# Altium PCB LimeNet-Micro_2v0.PcbDoc (part 6 of 11)
Units mm, origin at the board's own origin, x right, y up, seen from the top; angles counter-clockwise.
Board outline 75 x 143 mm, 6 copper layers (Top, L2, L3, L4, L5, Bottom), stack 1.583 mm thick; 781 components, 551 nets, 3551 pads, 1336 vias.
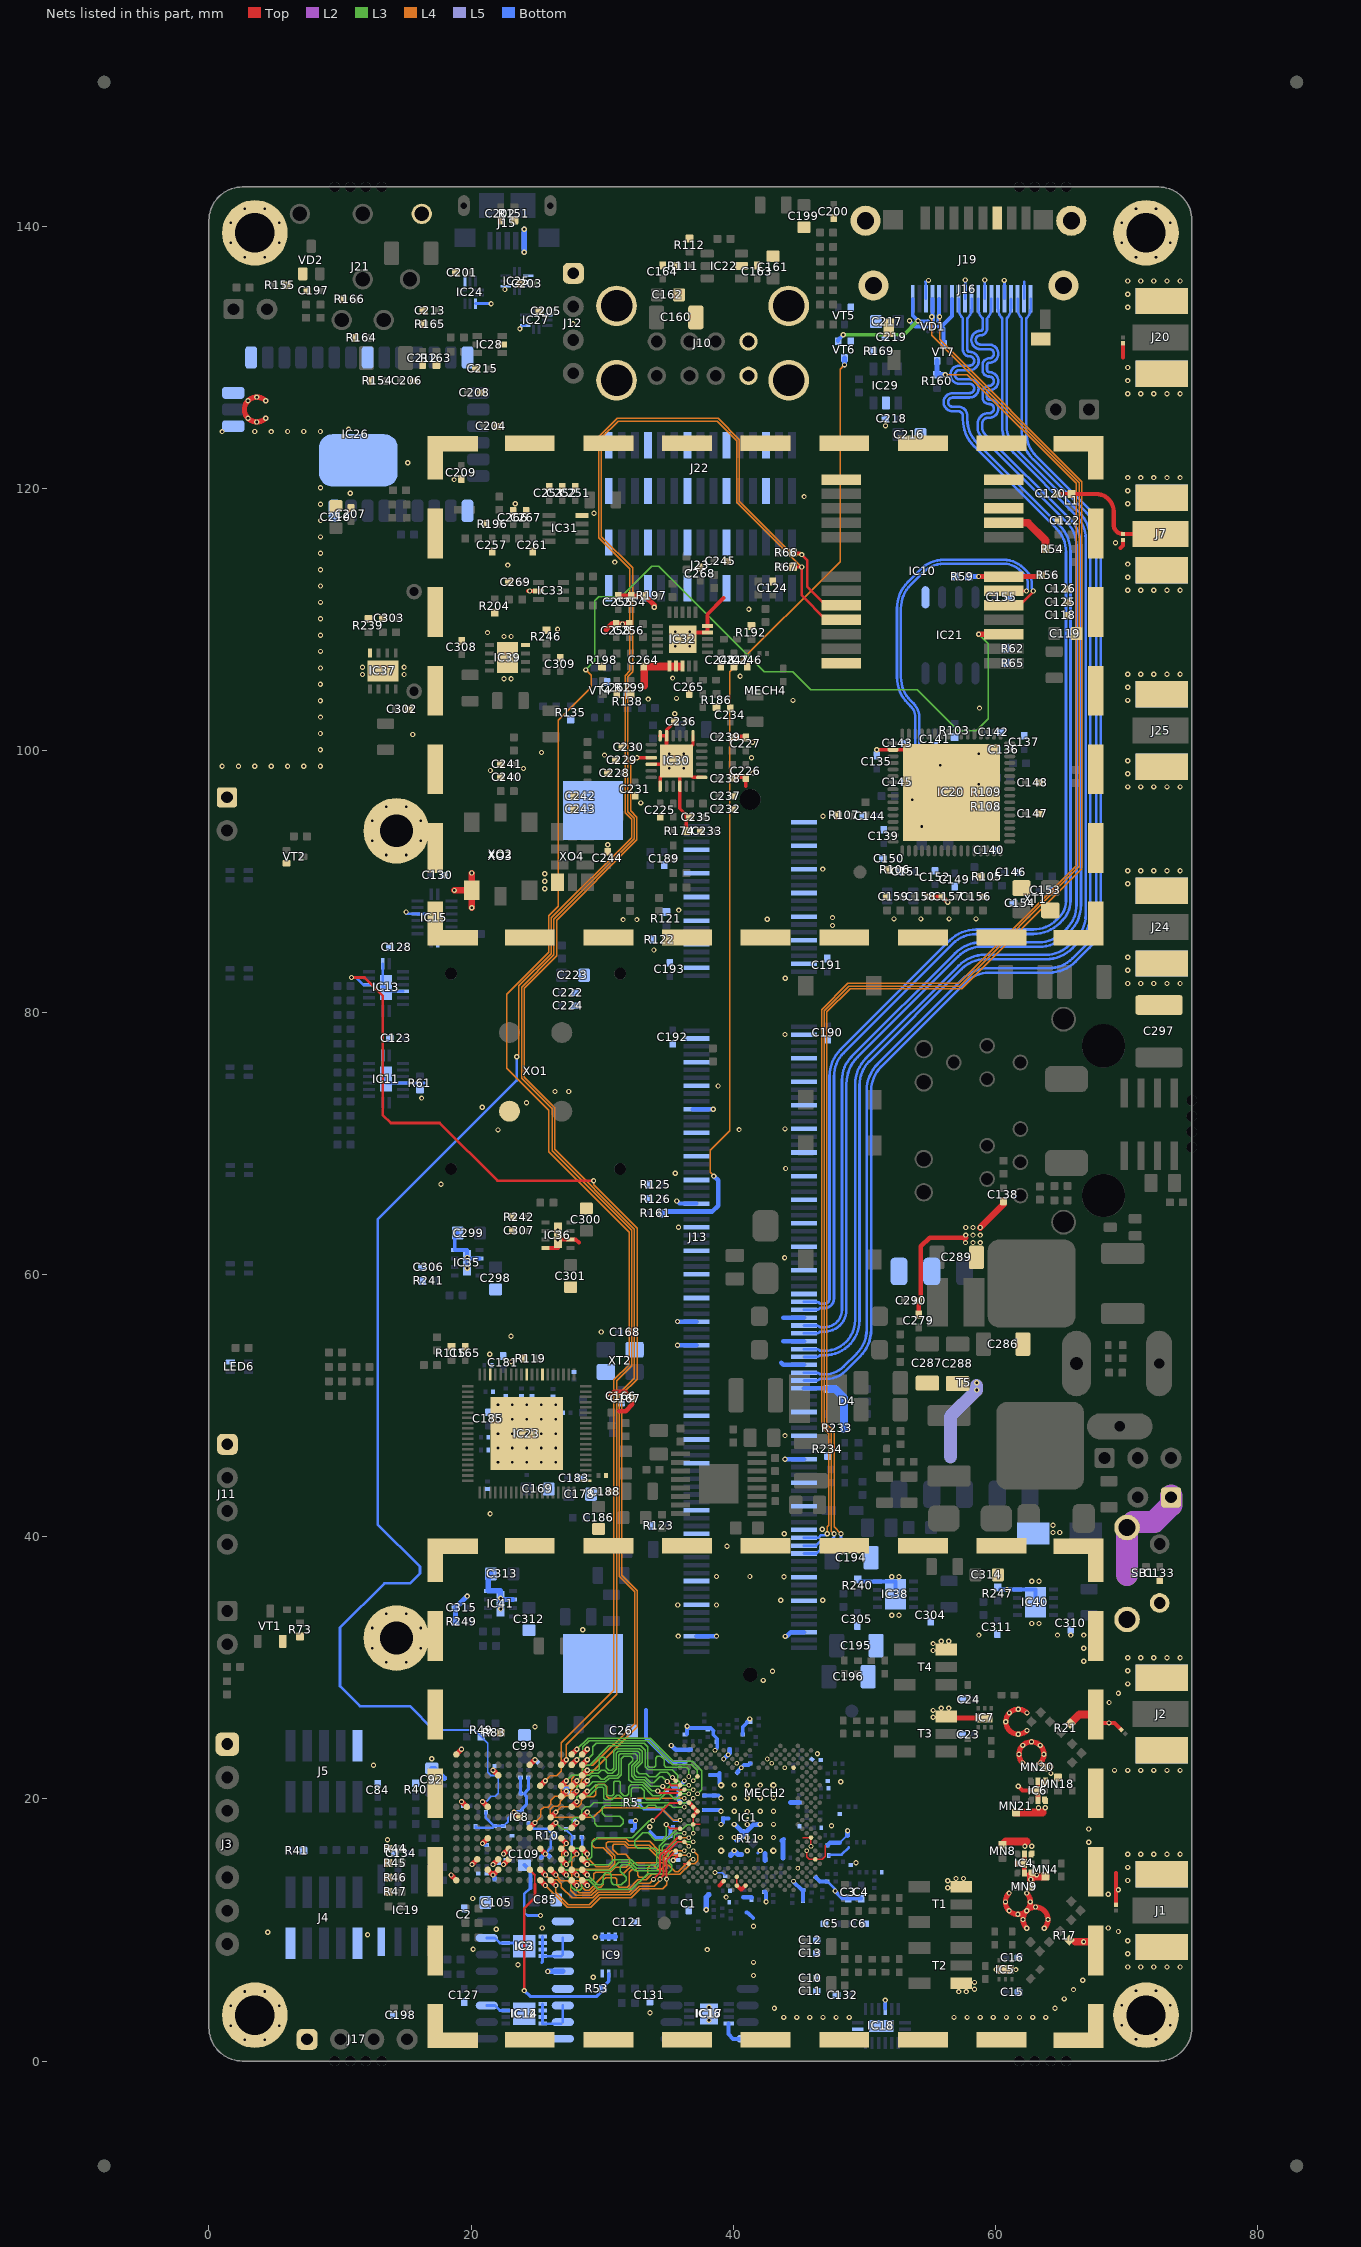
[diagram p10: the nets of this part, all layers, seen from the top]

## Via types
v1: diameter 0.4, hole 0.2, Top to Bottom, tented both sides, 1190 vias
v2: diameter 0.35, hole 0.2, Top to Bottom, tented both sides, 98 vias
v3: diameter 0.5, hole 0.2, Top to Bottom, tented bottom, 25 vias
v4: diameter 0.5, hole 0.2, Top to Bottom, tented both sides, 12 vias
v5: diameter 0.8, hole 0.4, Top to Bottom, tented both sides, 5 vias
v6: diameter 0.4, hole 0.2, Top to Bottom, tented top, 4 vias
v7: diameter 0.4, hole 0.2, Top to Bottom, tented bottom, 2 vias

## Nets (pads, with @x,y where several pads share a name; then routed paths per layer and width w, separated by ;. In a path a pad name is that pad's centre, name@x,y a point inside that pad or via, vN(x,y) a via of type N, cw(c..) or ccw(c..) an arc to the next point about the centre after c; other vN are vias at no path point) (continued)
GND: C1.2 C2.2 C3.2 C4.1 C5.2 C6.1 C10.1 C11.2 C12.2 C13.1 C15.1 C16.1 C23.1 C24.1 C25.2 C26.1 C27.2 C28.2 C29.2 C30.2 C31.2 C32.2 C33.2 C34.2 C35.2 C36.2 C37.2 C38.2 C39.2 C40.2 C41.2 C42.2 C43.2 C44.2 C45.2 C46.2 C47.2 C48.2 C49.2 C50.2 C51.2 C52.2 C53.2 C54.1 C55.2 C56.2 C57.2 C58.2 C59.2 C60.2 C61.2 C62.2 C63.2 C64.2 C65.2 C66.2 C67.1 C68.2 C69.2 C70.2 C71.2 C72.2 C73.2 C74.1 C75.2 C76.1 C77.1 C78.2 C79.2 C80.2 C81.2 C82.2 C83.2 C84.1 C85.1 C86.2 C87.2 C88.2 C89.2 C90.2 C91.2 C92.1 C93.2 C94.2 C95.2 C96.2 C97.2 C98.2 C99.1 C100.2 C101.2 C102.2 C103.2 C104.2 C105.1 C106.2 C107.2 C108.2 C109.1 C110.2 C111.2 C112.2 C113.2 C114.2 C115.2 C116.2 C117.2 C118.1 C119.1 C121.2 C122.2 C123.1 C124.2 C125.1 C126.2 C127.2 C128.1 C130.1 C131.2 C132.1 C133.2 C134.2 C135.2 C136.1 C137.2 C138.1 C139.2 C140.1 C141.2 C142.2 C143.2 C144.2 C145.2 C146.2 C147.2 C148.2 C149.2 C150.2 C151.2 C152.2 C153.1 C154.1 C155.2 C156.2 C157.2 C158.2 C159.2 C160.1 C161.1 C162.1 C163.2 C164.2 C165.2 C166.2 C167.2 C168.2 C169.1 C170.1 C171.2 C172.1 C173.2 C174.1 C175.2 C176.1 C177.2 C178.1 C179.1 C180.2 C181.2 C182.2 C183.2 C184.2 C185.2 C186.1 C187.1 C188.2 C189.2 C190.1 C191.1 C192.1 C193.1 C194.1 C195.1 C196.1 C197.1 C198.2 C199.1 C200.2 C201.2 C202.2 C203.2 C204.1 C205.2 C206.1 C207.1 C208.1 C209.1 C210.1 C212.2 C213.1 C215.2 C216.1 C217.1 C218.2 C219.2 C222.1 C223.1 C224.2 C225.1 C226.1 C227.1 C228.1 C229.1 C230.1 C231.1 C232.1 C233.1 C234.1 C235.1 C236.1 C237.1 C238.1 C239.1 C240.1 C241.1 C242.1 C243.1 C244.1 C245.1 C246.1 C247.2 C248.2 C251.1 C252.2 C253.2 C254.2 C255.2 C256.1 C257.1 C258.2 C261.2 C262.1 C264.1 C265.2 C266.1 C267.2 C268.1 C269.2 C279.1 C286.1 C287.1 C288.1 C289.1 C290.1 C297.1 C298.1 C299.1 C300.1 C301.1 C302.1 C303.1 C304.1 C305.1 C306.2 C307.2 C308.1 C309.1 C310.1 C311.1 C312.1 C313.1 C314.1 C315.2 D4.5 ESD1.2 ESD2.2 ESD3.2 ESD4.2 IC1.AA31 IC1.AF32 IC1.AG29 IC1.AJ7 IC1.AJ9 IC1.AJ19 IC1.AK12 IC1.AK20 IC1.AL13 IC1.AL23 IC1.AM22 IC1.AN25 IC1.B18 IC1.B20 IC1.C7 IC1.C23 IC1.D20 IC1.E25 IC1.F6 IC1.G31 IC1.GND IC1.H2 IC1.J33 IC1.K4 IC1.L3 IC1.N3 IC1.T30 IC1.V30 IC1.W29 IC1.Y30 IC2.1 IC2.2 IC2.3 IC2.4 IC2.7 IC2.PAD IC3.1 IC3.2 IC3.3 IC3.4 IC3.7 IC4.2 IC4.4 IC4.5 IC4.7 IC4.8 IC4.9 IC5.PAD IC6.2 IC6.4 IC6.5 IC6.7 IC6.8 IC6.9 IC7.PAD IC8.A1 IC8.A13 IC8.B8 IC8.C3 IC8.D2 IC8.D5 IC8.E2 IC8.E3 IC8.E11 IC8.F3 IC8.F4 IC8.G7 IC8.H12 IC8.J4 IC8.L9 IC8.M6 IC8.N1 IC8.N13 IC9.4 IC9.5 IC9.6 IC9.7 IC10.10 IC10.12 IC10.13 IC10.24 IC11.8 IC11.13 IC11.PAD IC12.1 IC12.2 IC12.3 IC12.4 IC12.7 IC12.PAD IC13.8 IC13.13 IC13.PAD IC14.1 IC14.2 IC14.3 IC14.4 IC14.7 IC15.8 IC15.13 IC15.PAD IC16.4 IC16.PAD IC17.4 IC18.8 IC18.13 IC18.PAD IC19.4 IC20.34 IC20.PAD IC21.5 IC22.2 IC23.1 IC23.26 IC23.29 IC23.36 IC23.77 IC24.3 IC24.8 IC25.3 IC25.8 IC26.1 IC26.8 IC26.14 IC26.21 IC26.29 IC26.30 IC26.32 IC26.33 IC27.3 IC27.8 IC28.2 IC29.2 IC30.1 IC30.7 IC30.11 IC30.12 IC30.16 IC30.19 IC30.22 IC30.25 IC31.8 IC32.1 IC32.2 IC32.3 IC32.9 IC32.10 IC32.21 IC33.5 IC35.4 IC35.6 IC35.PAD IC36.4 IC36.6 IC36.PAD IC37.4 IC37.9 IC38.4 IC38.9 IC39.4 IC39.9 IC40.4 IC40.9 IC41.4 IC41.6 IC41.PAD J1.2 J2.2 J3.1 J4.2 J4.10 J5.9 J6.1 J7.2 J10.B4 J10.SHIELD J10.T4 J11.1 J12.1 J13.1 J13.7 J13.8 J13.13 J13.14 J13.19 J13.20 J13.25 J13.26 J13.31 J13.32 J13.37 J13.38 J13.43 J13.44 J13.49 J13.50 J13.55 J13.56 J13.61 J13.62 J13.67 J13.68 J13.73 J13.74 J13.79 J13.80 J13.85 J13.86 J13.91 J13.92 J13.97 J13.98 J13.103 J13.104 J13.109 J13.110 J13.115 J13.116 J13.121 J13.122 J13.127 J13.133 J13.134 J13.139 J13.140 J13.145 J13.146 J13.151 J13.152 J13.157 J13.163 J13.164 J13.169 J13.170 J13.181 J13.182 J13.187 J13.188 J13.195 J13.196 J13.S1 J13.S2 J15.5 J16.6 J16.12 J16.13 J17.1 J19.2 J19.5 J19.8 J19.11 J19.17 J19.20 J20.2 J21.4 J22.1 J22.4 J22.7 J22.10 J22.13 J23.1 J23.4 J23.7 J23.10 J24.2 J25.2 J27.1 LED6.3 MECH2.1 MECH4.1 MECH5.MH1 MECH6.MH1 MECH7.MH1 MECH8.MH1 MN4.1 MN8.1 MN9.1 MN18.1 MN20.1 MN21.1 pad.1 R10.2 R11.2 R17.2 R21.2 R40.1 R41.2 R44.1 R45.1 R46.1 R47.1 R59.2 R61.2 R62.1 R65.1 R73.1 R83.2 R103.1 R105.2 R106.2 R107.2 R111.2 R112.2 R115.1 R119.1 R121.1 R122.1 R123.1 R125.1 R126.1 R135.2 R138.1 R151.2 R154.2 R155.2 R163.1 R164.2 R165.2 R166.1 R169.2 R174.1 R186.1 R192.1 R196.2 R197.2 R198.2 R199.1 R204.2 R233.1 R234.1 R239.2 R240.1 R241.1 R242.1 R246.2 R247.1 R249.1 SB1.2 SB1.Shield T1.1 T2.3 T3.1 T4.1 T5.9 T5.10 VD1.B2 VD1.C2 VD2.1 VD7.A VT1.S VT2.S VT4.S VT5.S VT6.S XO1.2 XO2.2 XO3.2 XO4.4 XT1.2 XT1.4 XT2.2 XT2.4 | length 377.7
  Top w0.11: 36.172,15.049 36.172,15.052 IC1.G31@36.612,15.052 ; IC1.V30@36.945,18.715 IC1.T30@36.945,18.049 37.501,18.049 ; IC1.B20@40.275,13.387 IC1.D20@40.275,14.053 ; 45.3,17.05 IC1.N3@45.936,17.05 v2(45.936,16.384) ; v2(45.603,16.051) 45.603,15.584 45.802,15.385 IC1.H2@46.269,15.385 46.785,15.385 47.025,15.625 47.025,16.475
  Top w0.15: v1(1.652,2.695) cw(c3.5,3.46) v1(1.652,4.225) cw(c3.5,3.46) v1(2.735,5.308) cw(c3.5,3.46) v1(4.265,5.308) cw(c3.5,3.46) v1(5.348,4.225) cw(c3.5,3.46) v1(5.348,2.695) cw(c3.5,3.46) v1(4.265,1.612) cw(c3.5,3.46) v1(2.735,1.612) cw(c3.5,3.46) v1(1.652,2.695) ; v1(1.652,138.735) cw(c3.5,139.5) v1(1.652,140.265) cw(c3.5,139.5) v1(2.735,141.348) cw(c3.5,139.5) v1(4.265,141.348) cw(c3.5,139.5) v1(5.348,140.265) cw(c3.5,139.5) v1(5.348,138.735) cw(c3.5,139.5) v1(4.265,137.652) cw(c3.5,139.5) v1(2.735,137.652) cw(c3.5,139.5) v1(1.652,138.735) ; v1(12.452,31.51) cw(c14.3,32.275) v1(12.452,33.04) cw(c14.3,32.275) v1(13.535,34.123) cw(c14.3,32.275) v1(15.065,34.123) cw(c14.3,32.275) v1(16.148,33.04) cw(c14.3,32.275) v1(16.148,31.51) cw(c14.3,32.275) v1(15.065,30.427) cw(c14.3,32.275) v1(13.535,30.427) cw(c14.3,32.275) v1(12.452,31.51) ; v1(12.452,93.11) ccw(c14.3,93.875) v1(13.535,92.027) ccw(c14.3,93.875) v1(15.065,92.027) ccw(c14.3,93.875) v1(16.148,93.11) ccw(c14.3,93.875) v1(16.148,94.64) ccw(c14.3,93.875) v1(15.065,95.723) ccw(c14.3,93.875) v1(13.535,95.723) ccw(c14.3,93.875) v1(12.452,94.64) ccw(c14.3,93.875) v1(12.452,93.11) ; v1(69.652,2.735) ccw(c71.5,3.5) 70.735,1.652 ccw(c71.5,3.5) v1(72.265,1.652) ccw(c71.5,3.5) v1(73.348,2.735) ccw(c71.5,3.5) v1(73.348,4.265) ccw(c71.5,3.5) v1(72.265,5.348) ccw(c71.5,3.5) 70.735,5.348 ccw(c71.5,3.5) v1(69.652,4.265) ccw(c71.5,3.5) v1(69.652,2.735) ; v1(69.652,138.735) ccw(c71.5,139.5) 70.735,137.652 ccw(c71.5,139.5) v1(72.265,137.652) ccw(c71.5,139.5) v1(73.348,138.735) ccw(c71.5,139.5) v1(73.348,140.265) ccw(c71.5,139.5) v1(72.265,141.348) ccw(c71.5,139.5) 70.735,141.348 ccw(c71.5,139.5) v1(69.652,140.265) ccw(c71.5,139.5) v1(69.652,138.735)
  Top w0.2: v1(35.422,15.319) 35.821,15.718 IC1.J33@35.946,15.718
  Top w0.25: IC30.19@34.425,97.275 34.425,97.95 34.789,98.314 34.65,98.314 34.65,98.847 34.928,99.125 35.461,99.125 35.461,98.986 35.479,99.004 IC30.25@35.675,99.2 ; IC30.11@34.925,101.125 34.925,101.587 C236.1@35.538,102.2 ; IC30.25@36.422,99.125 36.7,98.847 36.7,98.314 36.561,98.314 36.925,97.95 IC30.1@37.6,97.95 ; R174.1@36.425,93.85 36.425,95.075 35.925,95.575 IC30.22@35.925,97.275 35.925,98.95 IC30.25@35.675,99.2 ; IC30.7@36.925,101.125 36.925,100.45 v4(36.225,99.75) IC30.25@35.675,99.2 ; C238.1@39.913,97.95 40.913,97.95 40.963,97.9 40.963,97.275 ; v1(50.95,100.05) IC20.34@52.2,100.05 IC20.PAD@53.4,100.05
  Top w0.3: IC37.9@12.35,106.075 IC37.9@13.325,106.075 ; IC39.9@22.78,107.089 IC39.9@22.78,108.064 ; v1@24.325,112.175 IC33.5@25.15,112.175 ; IC36.4@25.672,62.05 26.622,62.05 v7(26.622,62.615) IC36.PAD@26.622,62.7 ; IC36.PAD@26.622,63.025 IC36.PAD@26.622,62.7 ; 28.218,62.45 27.968,62.7 IC36.6@27.572,62.7 IC36.PAD@26.622,62.7 ; IC30.16@33.75,98.95 34.718,98.95 34.918,99.15 35.479,99.15 IC30.25@35.479,99.004 ; IC30.12@34.425,101.125 IC30.11@34.925,101.125 IC30.25@34.925,99.95 ; v4(35.125,99.75) IC30.25@35.675,99.2 ; IC1.AA31@36.612,19.714 IC1.W29@37.278,19.048 IC1.V30@36.945,18.715 ; IC32.21@36.638,109 IC32.9@38.038,109 IC32.10@38.038,109.5 38.038,110.4 39.263,111.625 ; 38.96,13.404 IC1.C23@39.276,13.72 ; IC1.B20@40.275,13.387 40.591,13.071 ; 40.625,13.071 IC1.B18@40.941,13.387 ; v1(61.745,20.97) 62.09,20.625 IC6.2@62.683,20.625 IC6.2@62.958,20.625 IC6.9@63.258,20.625 IC6.8@63.258,21.3 ; MECH2.1@67.775,25.8 69.1,25.8 ESD2.2@69.607,25.293 ; ESD1.2@69.2,11.925 69.2,14.35 ; 69.55,115.45 69.75,115.65 ESD3.2@69.75,116.075 ; 69.75,130 ESD4.2@69.75,131.075
  Top w0.35: v1@30.55,50.71 30.915,51.075 31.775,51.075 C167.2@32.3,50.55 32.3,50.104 31.788,49.592 31.298,49.592 ; C279.1@54.15,56.975 54.15,57.975 C290.1@54.1,58.025 54.325,58.25 54.325,62.164 54.986,62.825 57.792,62.825 57.667,62.7 ; C158.2@54.85,88.85 C157.2@55.95,88.85 v1(56.375,88.425) ; IC4.2@61.925,15.075 IC4.9@62.225,15.075 ; IC4.4@62.225,14.4 IC4.9@62.225,15.075 ; IC4.8@62.225,15.75 IC4.9@62.225,15.075 ; IC6.4@63.258,19.95 IC6.9@63.258,20.625
  Top w0.4: v1(4.322,125.348) cw(c3.65,126.02) v1(3.65,125.07) cw(c3.65,126.02) v1(2.978,125.348) cw(c3.65,126.02) 2.7,126.02 cw(c3.65,126.02) v1(2.978,126.692) cw(c3.65,126.02) v1(3.65,126.97) cw(c3.65,126.02) v1(4.322,126.692) ; v1(18.472,14.194) IC8.A1@18.872,13.794 ; IC8.A13@18.872,23.394 v1(19.272,23.794) ; v1(19.272,19.794) IC8.B8@19.672,19.394 ; v1(20.072,14.994) IC8.C3@20.472,15.394 ; v1(20.872,16.594) IC8.D5@21.272,16.994 ; IC8.D2@21.272,14.594 v1(21.672,14.194) IC8.E2@22.072,14.594 ; v1(21.672,14.994) IC8.E3@22.072,15.394 ; v1(21.672,22.194) IC8.E11@22.072,21.794 ; v1(22.472,14.994) IC8.F3@22.872,15.394 ; v1(22.472,15.794) IC8.F4@22.872,16.194 ; v1(23.272,18.994) IC8.G7@23.672,18.594 ; IC8.H12@24.472,22.594 v1(24.872,22.994) ; IC8.J4@25.272,16.194 v1(25.672,15.794) ; IC8.L9@26.872,20.194 v1(27.272,20.594) ; IC8.M6@27.672,17.794 v1(28.072,18.194) ; IC8.N1@28.472,13.794 v1(28.872,13.394) ; IC8.N13@28.472,23.394 v1(28.872,23.794) ; 30.312,109.212 30.787,109.687 C258.2@31.037,109.687 ; C258.2@31.063,109.65 31.787,109.65 ; C255.2@31.225,111.8 C254.2@32.22,111.8 R197.2@33.27,111.8 33.979,111.091 v1(33.979,110.925) ; C256.1@32.063,109.65 C256.1@32.063,109.687 ; C239.1@39.925,101.025 C227.1@40.95,101.025 ; T3.1@56.271,26.298 56.271,26.177 IC7.PAD@59.2,26.177 ; v1(61.053,12.813) ccw(c61.725,12.141) v1(60.775,12.141) ccw(c61.725,12.141) v1(61.053,11.469) ccw(c61.725,12.141) v1(61.725,11.191) ccw(c61.725,12.141) v1(62.397,11.469) ; v1(62.087,22.737) cw(c62.758,23.408) v1(61.808,23.408) cw(c62.758,23.408) v1(62.087,24.08) cw(c62.758,23.408) v1(62.758,24.358) cw(c62.758,23.408) v1(63.43,24.08) cw(c62.758,23.408) v1(63.708,23.408) cw(c62.758,23.408) v1(63.43,22.737) ; v1(62.397,10.126) cw(c63.068,10.797) v1(62.118,10.797) cw(c63.068,10.797) v1(62.397,11.469) ; v1(62.397,12.813) cw(c61.725,12.141) v1(62.675,12.141) cw(c61.725,12.141) v1(62.397,11.469) ; v1(62.422,25.219) cw(c61.75,25.89) v1(61.75,24.94) cw(c61.75,25.89) 61.078,25.219 cw(c61.75,25.89) v1(60.8,25.89) cw(c61.75,25.89) v1(61.078,26.562) cw(c61.75,25.89) v1(61.75,26.84) cw(c61.75,25.89) v1(62.422,26.562) ; v1(63.74,10.126) ccw(c63.068,10.797) v1(64.018,10.797) ccw(c63.068,10.797) 63.74,11.469 ccw(c63.068,10.797) v1(63.068,11.747) ccw(c63.068,10.797) v1(62.397,11.469)
  Top w0.5: v1(18.725,89.325) XO2.2@20.05,89.325 ; v1(20.05,88) XO2.2@20.05,89.325 ; v1(20.05,90.65) XO2.2@20.05,89.325 ; v1(58.85,63.6) 60.625,65.375 C138.1@60.625,65.6
  Top w0.6: 33.213,104.95 C264.1@33.213,106.35 ; C264.1@33.263,106.4 IC32.3@35.988,106.4 ; MN8.1@60.55,16.5 60.8,16.75 62.375,16.75 ; MN21.1@61.583,18.95 63.615,18.95 ; MN9.1@62.725,13.3 IC4.5@62.725,14.225 ; v1@63.05,14.075 MN4.1@63.825,14.075 ; R21.2@65.726,25.751 66.413,26.438 MECH2.1@67.675,26.438 ; 66.125,9.1 MECH2.1@67.425,9.1
  L2 w1.7: 70.055,37.1 SB1.Shield@70.055,40.705 ; SB1.Shield@70.509,41.125 72.125,41.125 73.418,42.418 J27.1@73.418,43.136
  L5 w1: 56.568,46.075 56.568,49.185 58.564,51.181 58.564,51.525
  Bottom w0.1: v2(38.61,14.386) 38.613,14.383 39.146,14.383 C52.2@39.406,14.123
  Bottom w0.11: 35.807,20.004 35.855,20.004 36.142,19.717 36.584,19.717 C27.2@36.584,19.747
  Bottom w0.15: C102.2@22.472,17.939 22.484,17.939 22.822,18.276 22.822,18.544 v1(23.272,18.994) ; C87.2@27.217,17.656 C87.2@27.217,17.669 ; C87.2@27.242,17.656 C97.2@27.802,17.096 ; C97.2@27.777,17.069 C97.2@27.777,17.096 ; 48.131,16.653 48.143,16.653 48.718,17.228 C78.2@48.731,17.228
  Bottom w0.2: IC13.8@13.258,83.725 13.258,81.925 IC13.PAD@13.508,81.925 13.508,81.625 IC13.13@14.808,81.625 ; IC11.8@13.259,76.725 13.259,75.175 IC11.PAD@13.509,74.925 13.509,74.625 IC11.13@14.809,74.625 16.45,74.625 ; v1(15.038,87.675) 15.038,87.55 15.9,87.55 IC15.13@15.9,87.525 17.2,87.525 IC15.PAD@17.2,87.225 ; C110.2@20.352,17.894 20.352,17.794 21.652,17.794 C104.2@21.797,17.939 ; v1(20.872,16.594) 20.992,16.474 C94.2@21.197,16.474 ; C115.2@21.127,18.969 21.127,18.561 21.749,17.939 C104.2@21.797,17.939 ; IC14.7@21.2,4.235 21.815,4.235 22.2,3.85 IC12.7@22.65,3.85 IC12.PAD@23.8,3.85 ; IC3.7@21.2,9.385 21.815,9.385 22.2,9 IC2.PAD@23.8,9 ; C102.2@22.472,17.939 C104.2@21.797,17.939 ; v1(23.272,18.994) 23.347,19.069 C117.2@23.892,19.069 ; v1(23.725,132.188) 23.975,132.438 IC27.3@24.125,132.438 ; C109.1@24.072,14.944 C109.1@24.072,14.994 ; C116.2@24.377,18.144 24.377,18.098 24.75,17.725 25.791,17.725 R10.2@26.322,17.194 26.072,16.944 26.072,16.249 25.707,15.884 C89.2@25.974,15.617 ; 24.522,13.207 24.05,12.735 24.05,11.35 24.3,11.1 v1(25.3,11.1) ; 25.394,7.514 25.45,7.57 IC2.4@25.45,8 ; IC12.1@25.45,4.35 IC12.4@25.45,2.85 IC14.3@26.885,2.85 ; IC2.1@25.45,9.5 IC2.4@25.45,8 ; IC14.3@27,2.965 IC14.2@27,4.235 ; IC3.2@27,9.385 IC3.3@27,8.115 26.885,8 IC2.4@25.45,8 ; 27.672,16.428 27.672,16.939 C97.2@27.802,17.069 ; C90.2@28.442,17.109 28.472,17.079 28.472,16.428 ; 41.887,15.869 v1(42.072,16.054) ; C37.2@47.19,13.694 47.775,13.109 v1(47.775,12.975) ; C75.2@47.339,15.681 47.411,15.753 48.281,15.753 48.831,16.303 ; 54.675,135.775 54.7,135.775 J19.17@54.7,134.475 ; J19.11@57.7,134.475 v1@57.7,135.775 ; J19.8@59.2,134.475 v1@59.2,135.775 ; J19.5@60.7,134.475 v1@60.7,135.775 ; J19.2@62.2,134.475 62.2,135.775
  Bottom w0.22: IC24.3@20.325,134.1 v1(21.525,134.1)
  Bottom w0.25: C100.2@23.772,21.639 23.772,20.424 C103.2@23.797,20.399 ; C117.2@23.892,19.069 23.892,19.239 24.222,19.569 24.222,20.219 24.042,20.399 24.372,20.729 C114.2@24.372,21.639 ; 33.672,17.494 34.122,17.044 35.067,17.044 C60.2@35.217,17.194 ; 38.481,25.203 38.481,24.894 38.776,24.599 38.776,23.876 v2(38.61,23.71) ; IC18.13@51.6,3.975 v1(51.6,4.65)
  Bottom w0.3: C299.1@18.975,63.175 18.75,62.95 IC35.4@18.75,61.875 19.7,61.875 IC35.PAD@19.7,61.225 ; IC35.PAD@19.7,60.9 IC35.PAD@19.7,61.225 ; IC35.6@20.65,61.225 IC35.PAD@19.7,61.225 ; v1(21.672,14.194) 21.792,14.074 C106.2@21.792,13.869 ; C109.1@24.072,14.944 24.522,14.494 24.522,13.207 ; C91.2@25.347,15.524 25.617,15.794 v1(25.672,15.794) 25.797,15.794 C89.2@25.974,15.617 ; C95.2@26.952,20.894 27.469,20.894 ; C32.2@32.172,18.289 32.502,18.289 32.502,17.769 C31.2@32.327,17.594 ; 33.347,26.769 33.347,24.643 35.155,22.834 C36.2@35.552,22.834 C35.2@36.322,22.834 ; C60.2@35.217,17.194 35.217,17.669 C61.2@35.392,17.844 ; 35.39,20.907 35.807,20.907 ; v1(35.7,65.625) 35.9,65.425 J13.86@37.2,65.425 ; 35.807,20.004 35.807,20.907 ; v2(36.279,21.379) 35.807,20.907 ; C47.2@36.456,24.94 36.481,24.965 v1(36.481,25.553) 36.63,25.404 38.28,25.404 38.481,25.203 ; C59.2@37.782,19.144 38.982,19.144 v1(39.072,19.054) ; C56.2@37.782,20.244 38.882,20.244 v1(39.072,20.054) ; C68.2@38.272,21.834 C41.2@38.877,21.834 ; C41.2@38.942,21.969 38.942,21.184 v4(39.072,21.054) ; v1(39.072,18.054) 39.232,18.214 C28.2@39.232,18.499 39.662,18.499 ; IC16.4@39.65,2.85 39.65,2.045 40,1.695 IC17.4@41,1.695 ; C55.2@40.32,22.021 40.32,22.09 v2(40.608,22.378) 40.804,22.574 41.162,22.574 C42.2@41.307,22.719 ; C72.2@40.731,24.908 40.731,25.503 41.036,25.808 41.036,25.883 v1(41.256,26.103) ; 41.027,11.328 41.056,11.328 ; 41.172,11.261 41.531,10.903 ; C39.2@42.386,12.948 42.511,12.823 v1(42.511,12.15) ; v2(44.604,13.72) 44.604,13.675 45.236,13.043 C64.2@45.355,13.043 ; C77.1@45.326,12.228 C64.2@45.326,13.014 ; C62.2@46.33,13.992 46.628,13.694 C37.2@47.127,13.694 ; v1(47.775,12.975) 48.356,12.394 C3.2@48.772,12.394 C4.1@49.772,12.394 ; R240.1@49.666,36.593 IC38.4@51,36.593 52.375,36.593 IC38.9@52.375,35.618 ; v1@53.5,132.75 53.9,132.35 VD1.C2@54.85,132.35 VD1.B2@55.25,132.35 ; R247.1@60.349,35.975 63.058,35.975 IC40.9@63.058,35
  Bottom w0.35: v1(35.28,24.076) 35.612,23.744 C45.2@36.747,23.744 ; v1(35.75,54.625) J13.122@37.2,54.625 ; v1(35.75,56.425) J13.116@37.2,56.425 ; J13.62@36.906,72.625 v1(38.481,72.625) ; J13.196@37.2,32.425 v1(38.725,32.425) ; v2(39.276,23.044) 39.726,23.493 C71.2@39.726,23.774 ; v1(40.072,17.054) 40.322,16.804 R11.2@40.852,17.334 ; v1@40.133,18.054 R11.2@40.852,17.334 ; C53.2@40.756,12.498 41.381,12.498 41.401,12.478 ; 41.572,18.054 R11.2@40.852,17.334 ; 43.675,53.275 43.825,53.125 J13.127@45.4,53.125 ; 43.731,16.803 43.856,16.928 ; 43.825,54.925 J13.121@45.4,54.925 ; 43.825,56.725 J13.115@45.4,56.725 ; v1(43.95,45.925) J13.151@45.4,45.925 ; v1(43.975,32.4) 44.075,32.4 44.4,32.725 J13.195@45.4,32.725 ; J13.133@45.4,51.325 47.352,51.325 D4.5@47.403,51.275 ; C44.2@47.212,16.48 47.384,16.653 48.131,16.653
  Bottom w0.4: C92.1@17,22.325 17.225,22.325 C98.2@17.975,21.575 ; R249.1@18.805,33.525 C315.2@18.805,34.575 v1(19.705,35.475) ; C313.1@21.525,37.175 21.3,36.95 IC41.4@21.3,35.875 22.25,35.875 v6(22.25,35.31) IC41.PAD@22.25,35.225 ; IC41.PAD@22.25,34.9 IC41.PAD@22.25,35.225 ; IC41.6@23.2,35.225 IC41.PAD@22.25,35.225 ; v1(24.05,138.025) J15.5@24.05,138.9 v1(24.05,139.775) ; v1(25.85,6.825) 25.87,6.845 IC3.4@27,6.845 ; IC9.5@30,9.475 IC9.7@31,9.475 ; v1(37.952,11.549) 37.952,12.514 C51.2@38.132,12.694 ; C67.1@39.806,15.683 40.072,15.949 v1(40.072,16.054) 40.367,15.759 C66.2@40.608,15.759 ; v1(40.072,18.054) v1@40.133,18.054 ; 41.572,18.054 v1(42.072,18.054) ; C40.2@42.436,15.303 42.436,15.833 ; 43.731,16.803 43.796,16.738 C76.1@43.796,15.503 ; 44.386,19.723 C74.1@45.031,19.723 ; C78.2@48.731,17.228 v1(48.731,17.563)
  Bottom w0.6: D4.5@47.403,51.275 47.781,51.275 48.456,50.6 R233.1@48.456,48.275
  other v1: 70.735,1.652 38.15,3.1 43.85,3.325 44.85,3.325 45.85,3.325 46.85,3.325 47.85,3.325 48.85,3.325 56.85,3.325 57.85,3.325 58.85,3.325 59.85,3.325 60.85,3.325 61.85,3.325 62.85,3.325 63.85,3.325 33.65,3.675 43.143,4.032 64.557,4.032 38.15,4.1 65.264,4.739 57.217,5.298 57.792,5.298 70.735,5.348 65.971,5.446 58.417,5.473 58.417,5.998 66.678,6.153 29.325,6.4 41.55,6.525 60.075,6.982 61.575,6.973 70.1,7.175 71.1,7.175 72.1,7.175 73.1,7.175 74.1,7.175 23.575,7.35 41.55,7.525 70.1,8.175 38.025,8.5 20.15,8.525 66.739,9.1 70.1,9.175 29.475,9.45 12.1,9.625 4.475,9.825 69.393,9.882 21.925,10.05 25.425,10.15 68.625,10.15 41.55,10.275 20.125,12.4 39.456,12.505 68.625,12.725 69.393,13.068 56.375,13.225 56.375,13.75 70.1,13.775 62.706,13.85 57,13.925 57.575,13.925 63.15,14.2 70.1,14.775 49.375,15.125 70.1,15.775 71.1,15.775 72.1,15.775 73.1,15.775 74.1,15.775 41.072,16.044 62.262,16.38 62.787,16.38 67.125,16.7 13.625,16.875 41.072,17.044 39.072,17.054 42.072,17.054 43.072,17.054 67.125,17.7 33.625,17.875 47.5,17.95 41.072,18.044 43.072,18.054 32.547,18.344 40.072,19.054 41.072,19.044 42.072,19.054 43.072,19.054 63.295,19.32 63.82,19.32 41.072,20.044 40.072,20.054 42.072,20.054 43.072,20.054 40.072,21.054 41.072,21.044 42.072,21.054 48.2,21.3 64.245,21.945 69.1,22.175 70.1,22.175 71.1,22.175 72.1,22.175 73.1,22.175 74.1,22.175 64.245,22.445 12.55,22.575 17,23.069 46.425,23.45 24.875,25.5 68.675,25.8 55.255,26.228 55.255,26.753 55.88,26.928 56.455,26.928 68.686,27.361 69.393,28.068 70.1,28.775 42.293,29.043 43,29.75 70.1,29.775 66.75,30.5 70.1,30.775 71.1,30.775 72.1,30.775 73.1,30.775 74.1,30.775 55.255,31.328 66.75,31.5 55.255,31.853 55.88,32.028 56.455,32.028 35.8,32.425 58.75,32.5 64.75,32.5 65.75,32.5 66.75,32.5 28.525,32.9 62.786,33.389 63.331,33.389 52.102,34.007 52.648,34.007 35.775,34.8 38.725,34.8 43.625,35.15 46.825,35.15 60.888,35.975 62.786,36.611 63.331,36.611 43.875,36.95 52.102,36.954 52.648,36.954 38.725,36.975 41.275,36.975 39.525,39.275 43.9,40.225 64.4,40.325 64.925,40.325 46.8,40.575 64.4,40.875 21.45,41.756 43.95,47.725 30.55,50.625 58.583,51.2 58.583,51.75 23.075,53.35 21.425,53.925 23.045,55.3 29.925,55.625 43.92,61.3 57.725,62.45 58.3,62.45 58.85,62.45 57.75,63.025 58.3,63.025 58.85,63.025 57.75,63.6 58.3,63.6 35.825,63.625 17.7,66.9 35.575,67.75 44,68.1 22.05,71.05 40.45,71.075 43.95,71.125 20.85,72.775 24.225,73.125 16.225,73.475 26.4,73.984 27.45,73.984 38.85,74.4 43.95,78.325 70.1,82.225 71.1,82.225 72.1,82.225 73.1,82.225 74.1,82.225 43.975,82.625 70.1,83.225 70.1,84.225 33.95,84.775 47.575,86.65 31.6,87.1 32.65,87.1 42.6,87.125 52.275,87.15 54.325,87.15 56.475,87.15 58.525,87.15 47.575,87.25 35.85,87.825 25.625,89.45 70.1,89.825 25.625,90.025 25.625,90.6 70.1,90.825 71.1,90.825 72.1,90.825 73.1,90.825 74.1,90.825 46.825,90.95 30.425,92.8 54.375,94.2 46.85,94.975 32.95,96 53.675,96.25 70.1,97.225 71.1,97.225 72.1,97.225 73.1,97.225 74.1,97.225 58.725,97.425 70.1,98.225 41.5,98.275 21.475,98.475 24,98.625 1,98.805 2.25,98.8 3.5,98.8 4.75,98.805 6,98.8 7.239,98.8 8.5,98.8 55.8,98.875 70.1,99.225 41.4,99.45 30.175,99.65 58.725,99.75 25.375,99.85 8.5,100.061 41.5,100.625 15.55,101.225 8.5,101.3 8.505,102.55 35.538,102.8 58.796,103.236 8.5,103.8 44.565,103.825 70.1,103.825 33.525,103.925 35.675,103.975 70.1,104.825 8.5,105.05 22.507,105.478 23.052,105.478 35.375,105.525 40.525,105.675 11.714,105.802 14.886,105.802 70.1,105.825 71.1,105.825 72.1,105.825 73.1,105.825 74.1,105.825 8.505,106.3 11.714,106.348 14.886,106.348 8.505,107.561 22.507,108.7 23.052,108.7 8.505,108.8 21.25,108.996 26.6,109.25 31.55,109.65 8.51,110.05 41.2,110.775 8.505,111.3 24.475,112.175 70.1,112.225 71.1,112.225 72.1,112.225 73.1,112.225 74.1,112.225 8.505,112.55 70.1,113.225 8.51,113.8 22.8,114.15 70.1,114.225 30.971,114.375 8.51,115.061 69.172,115.853 8.51,116.3 8.515,117.55 29.375,118.1 8.51,118.8 23.375,118.825 70.1,118.825 45.41,119.375 10.775,119.625 70.1,119.825 8.51,120.05 18.7,120.675 70.1,120.825 71.1,120.825 72.1,120.825 73.1,120.825 74.1,120.825 15.175,121.95 1,124.335 3.5,124.34 4.75,124.335 6,124.34 7.239,124.34 8.5,124.34 10.65,124.525 51.625,124.777 70.1,127.225 71.1,127.225 72.1,127.225 73.1,127.225 74.1,127.225 70.1,128.225 70.1,129.225 27.775,132.575 53.45,132.8 70.1,133.825 70.1,134.825 22.58,135.175 70.1,135.825 71.1,135.825 72.1,135.825 73.1,135.825 74.1,135.825 54.9,135.875 60.675,135.875 57.7,135.9 59.2,135.9 70.735,137.652 70.735,141.348